# Allegro board Single PMT Data AcquisitionV_3P3.brd (continued)
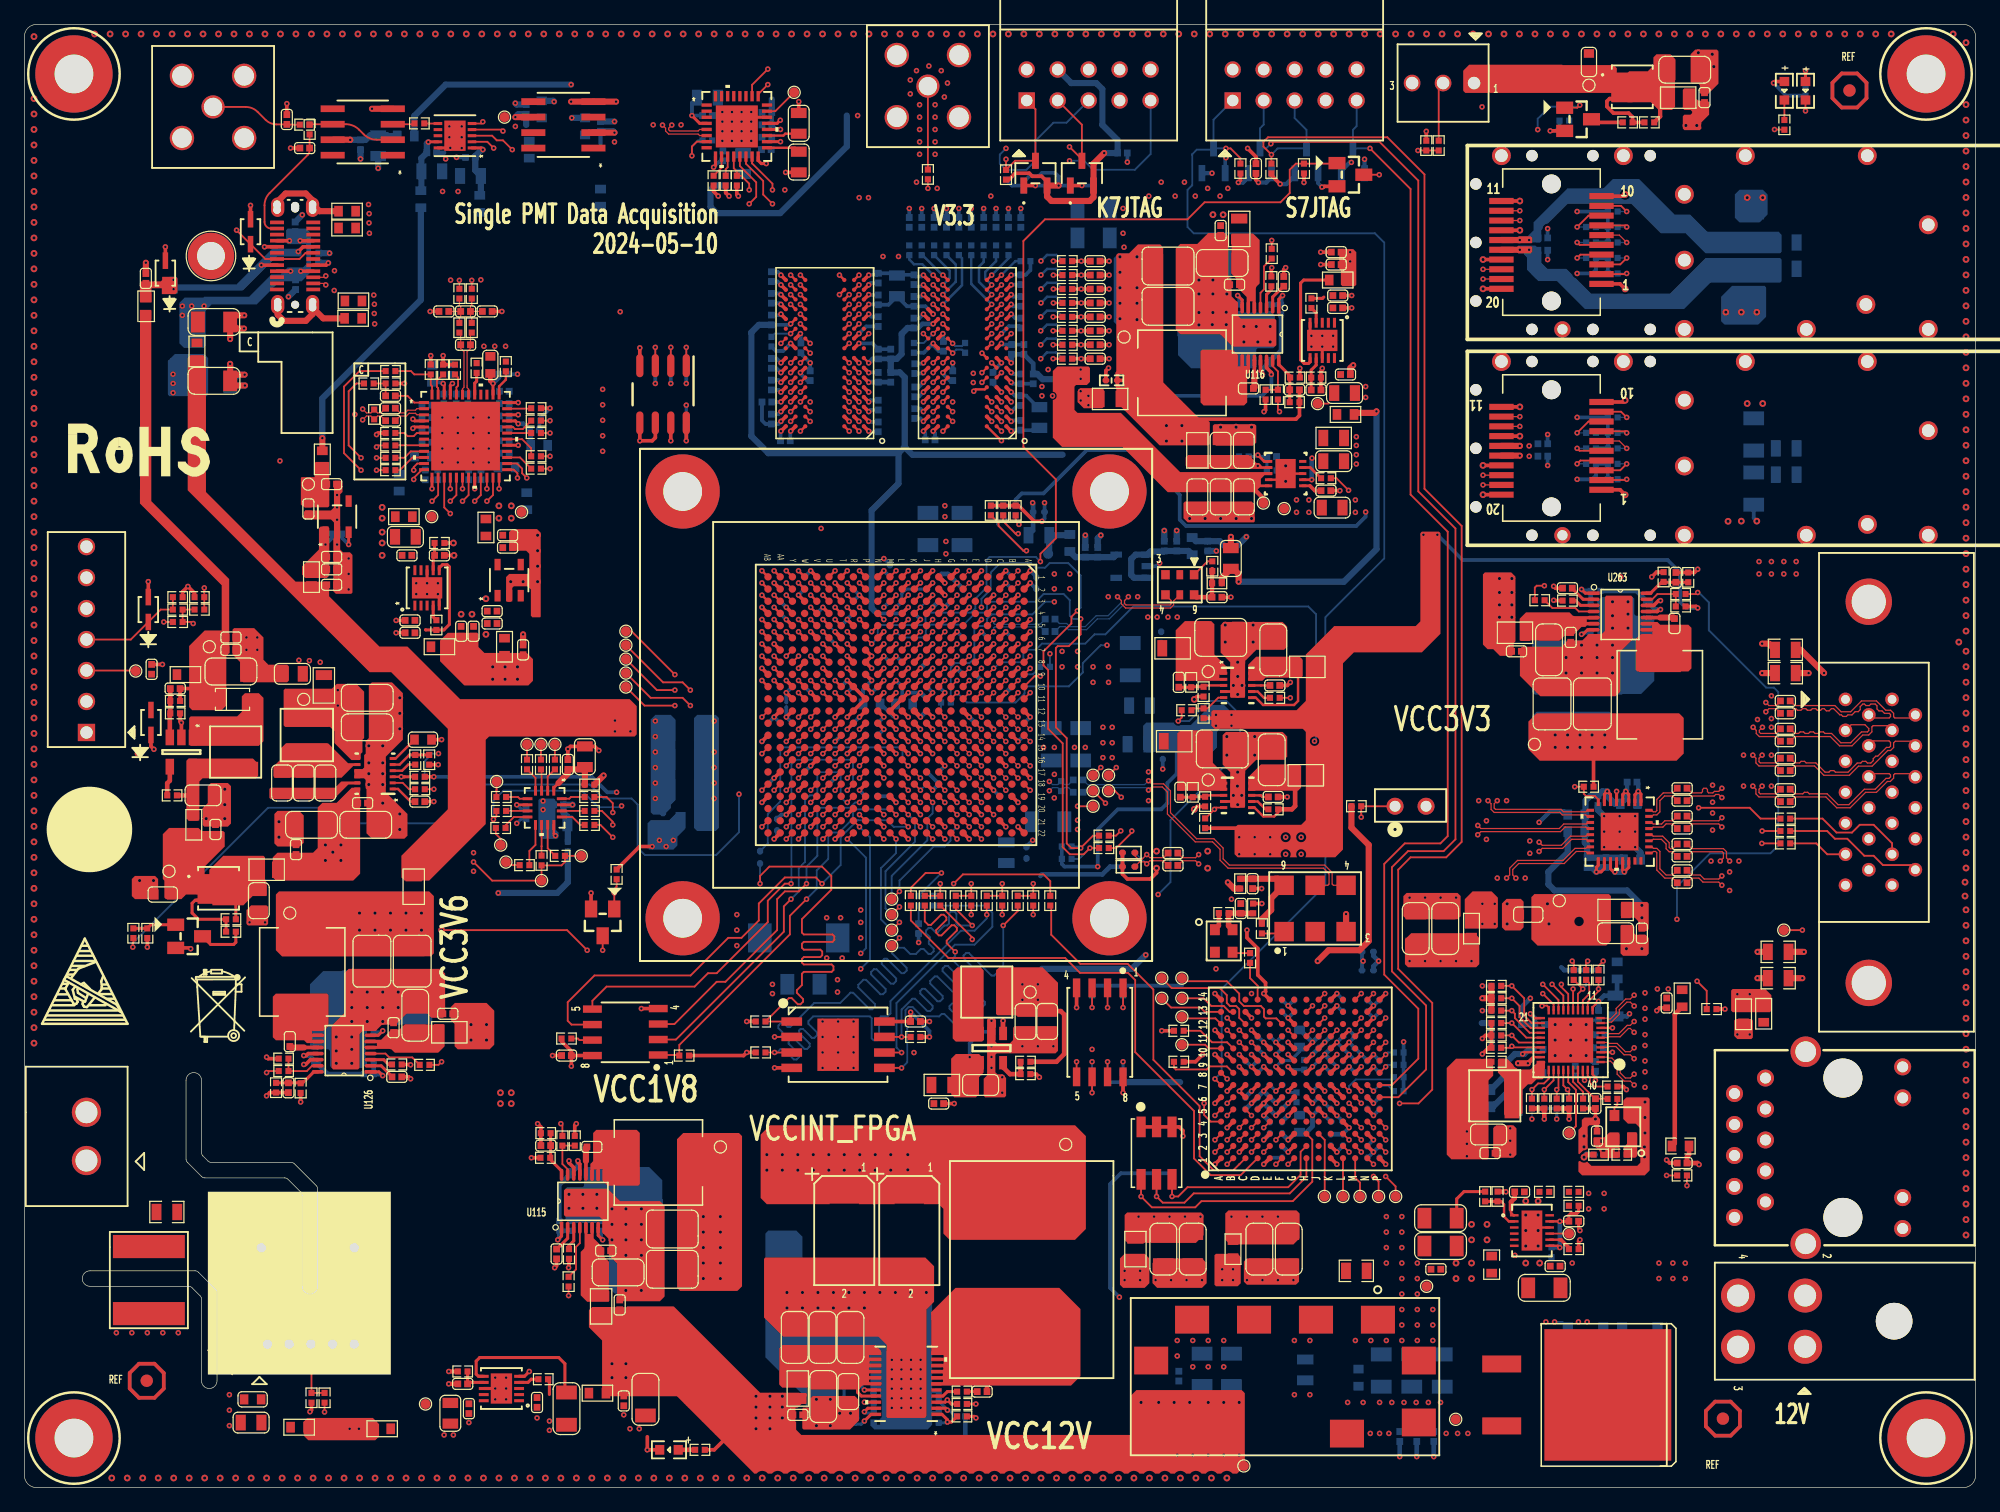
[diagram p0: board, top side]
## Footprints (pads in the part's own frame, mm; a bottom-side part is the same pattern mirrored in y, then rotated) (continued)
XFL4020-472ME
  rect 0.98x3.4 smd: 1(-1.185,0) 2(1.185,0)

## Nets
GND: C13.2(CAP1) C14.2(CAP1) C15.2(CAP1) C22.2(CAP1) C23.2(CAP1) C97.2(CAP1) C114.2(CAP1) C115.2(CAP1) C123.2(CAP1) C143.2(CAP1) C144.2(CAP1) C146.2(CAP1) C153.2(CAP1) C155.2(CAP1) C161.2(CAP1) C162.2(CAP1) C165.2(CAP1) C166.2(CAP1) C217.2(CAP1) C224.2(CAP1) C250.2(CAP1) C271.2(CAP1) C340.2(CAP1) C341.2(CAP1) C342.2(CAP1) C343.2(CAP1) C344.2(CAP1) C400.2(CAP1) C401.2(CAP1) C403.2(CAP1) C407.2(CAP1) C408.2(CAP1) C409.2(CAP1) C410.2(CAP1) C414.2(CAP1) C415.2(CAP1) C417.2(CAP1) C418.2(CAP1) C419.2(CAP1) C420.2(CAP1) C425.2(CAP1) C426.2(CAP1) C427.2(CAP1) C430.2(CAP1) C431.2(CAP1) C434.2(CAP1) C437.2(CAP1) C438.2(CAP1) C440.2(CAP1) C441.2(CAP1) C462.2(CAP1) C463.2(CAP1) C491.2(CAP1) C492.2(CAP1) C493.2(CAP1) C494.2(CAP1) C495.2(CAP1) C505.2(CAP1) C506.2(CAP1) C507.2(CAP1) C508.2(CAP1) C510.2(CAP1) C511.2(CAP1) C514.2(CAP1) C515.2(CAP1) C516.2(CAP1) C520.2(CAP1) C521.2(CAP1) C522.2(CAP1) C523.2(CAP1) C524.2(CAP1) C525.2(CAP1) C526.2(CAP1) C527.2(CAP1) C528.2(CAP1) C529.2(CAP1) C530.2(CAP1) C531.2(CAP1) C532.2(CAP1) C533.2(CAP1) C534.2(CAP1) C535.2(CAP1) C536.2(CAP1) C538.2(CAP1) C539.2(CAP1) C540.2(CAP1) C541.2(CAP1) C542.2(CAP1) C543.2(CAP1) C545.2(CAP1) C546.2(CAP1) C547.2(CAP1) C548.2(CAP1) C549.2(CAP1) C550.2(CAP1) C551.2(CAP1) C552.2(CAP1) C553.2(CAP1) C554.2(CAP1) C555.2(CAP1) C556.2(CAP1) C557.2(CAP1) C558.2(CAP1) C559.2(CAP1) C560.2(CAP1) C561.2(CAP1) C562.2(CAP1) C563.2(CAP1) C564.2(CAP1) C565.2(CAP1) C566.2(CAP1) C567.2(CAP1) C568.2(CAP1) C569.2(CAP1) C570.2(CAP1) C571.2(CAP1) C572.2(CAP1) C573.2(CAP1) C640.2(CAP1) C641.2(CAP1) C642.2(CAP1) C751.2(CAP1) C752.2(CAP1) C753.2(CAP1) C754.2(CAP1) C755.2(CAP1) C756.2(CAP1) C757.2(CAP1) C758.2(CAP1) C759.2(CAP1) C760.2(CAP1) C761.2(CAP1) C762.2(CAP1) C763.2(CAP1) C764.2(CAP1) C765.2(CAP1) C766.2(CAP1) C767.2(CAP1) C768.2(CAP1) C769.2(CAP1) C770.2(CAP1) C771.2(CAP1) C772.2(CAP1) C773.2(CAP1) C774.2(CAP1) C775.2(CAP1) C776.2(CAP1) C777.2(CAP1) C778.2(CAP1) C779.2(CAP1) C780.2(CAP1) C781.2(CAP1) C782.2(CAP1) C783.2(CAP1) C784.2(CAP1) C785.2(CAP1) C786.2(CAP1) C787.2(CAP1) C788.2(CAP1) C789.2(CAP1) C790.2(CAP1) C791.2(CAP1) C792.2(CAP1) C793.2(CAP1) C794.2(CAP1) C795.2(CAP1) C796.2(CAP1) C797.2(CAP1) C798.2(CAP1) C799.2(CAP1) C800.2(CAP1) C838.1(CAP2) C839.2(CAP1) C841.2(CAP1) C842.2(CAP1) C846.2(CAP1) C847.2(CAP1) C849.2(CAP1) C850.2(CAP1) C851.2(CAP1) C852.2(CAP1) C853.2(CAP1) C854.2(CAP1) C855.2(CAP1) C859.2(CAP1) C864.2(CAP1) C865.2(CAP1) C866.2(CAP1) C868.1(CAP2) C881.2(CAP1) C882.2(CAP1) C883.2(CAP1) C884.2(CAP1) C885.2(CAP1) C905.2(CAP1) C906.1(CAP2) C907.1(CAP2) C908.2(CAP1) C912.1(CAP2) C913.1(CAP2) C914.1(CAP2) C915.1(CAP2) C916.1(CAP2) C917.1(CAP2) C918.1(CAP2) C919.1(CAP2) C920.1(CAP2) C921.1(CAP2) C922.1(CAP2) C923.1(CAP2) C924.1(CAP2) C925.1(CAP2) C926.1(CAP2) C927.1(CAP2) C928.1(CAP2) C929.1(CAP2) C930.1(CAP2) C943.2(CAP1) C944.2(CAP1) C1135.1(CAP2) C1137.2(CAP1) C1138.2(CAP1) C1153.2(CAP1) C1154.2(CAP1) C1155.2(CAP1) C1156.2(CAP1) C1157.2(CAP1) C1158.2(CAP1) C1172.2(CAP1) C1173.2(CAP1) C1174.2(CAP1) C1175.2(CAP1) C1176.2(CAP1) C1177.1(CAP2) C1178.2(CAP1) C1181.2(CAP1) C1182.1(CAP2) C1183.1(CAP2) C1184.2(CAP1) C1185.2(CAP1) C1186.2(CAP1) C1187.1(CAP2) C1188.1(CAP2) C1189.2(CAP1) C1190.2(CAP1) C1193.2(CAP1) C1194.2(CAP1) C1195.2(CAP1) C1196.2(CAP1) C1197.2(CAP1) C1198.2(CAP1) C1199.2(CAP1) C1200.2(CAP1) C1201.2(CAP1) C1202.2(CAP1) C1203.2(CAP1) C1204.1(CAP2) C1205.2(CAP1) C1208.1(CAP2) C1209.1(CAP2) C1215.2(CAP1) C1230.2(CAP1) C1231.1(CAP2) C1232.2(CAP1) C1233.2(CAP1) C1256.1(CAP2) C1257.2(CAP1) C1258.2(CAP1) C1259.2(CAP1) C1264.2(CAP1) C1265.1(CAP2) C1266.2(CAP1) C1267.2(CAP1) C1268.2(CAP1) C1269.2(CAP1) C1270.2(CAP1) C1271.2(CAP1) C1272.2(CAP1) C1273.1(CAP2) C1274.2(CAP1) C1277.1(CAP2) C1278.1(CAP2) C1279.2(CAP1) C1280.2(CAP1) C1281.2(CAP1) C1282.1(CAP2) C1296.2(CAP1) C1298.1(CAP2) C1299.1(CAP2) C1300.2(CAP1) C1301.1(CAP2) C1302.2(CAP1) C1303.1(CAP2) C1304.2(CAP1) C1324.2(CAP1) C1326.1(CAP2) C1327.1(CAP2) C1328.2(CAP1) C1329.1(CAP2) C1337.1(CAP2) C1338.1(CAP2) C1339.2(CAP1) C1340.2(CAP1) C1341.2(CAP1) C1347.2(CAP1) C1348.1(CAP2) C1349.2(CAP1) C2084.2(CAP1) C2085.2(CAP1) C2086.1(CAP2) C2087.2(CAP1) C2088.1(CAP2) C2092.2(CAP1) C2093.2(CAP1) C2094.2(CAP1) C2106.2(CAP1) C2256.2(CAP1) C2380.2(CAP1) C2381.1(CAP2) C2382.2(CAP1) C2383.1(CAP2) C2385.1(CAP2) C2412.1(CAP2) C2413.2(CAP1) C2414.2(CAP1) C2415.1(CAP2) C2416.2(CAP1) C2417.2(CAP1) C2418.1(CAP2) C2422.2(CAP1) C2423.1(CAP2) C2424.1(CAP2) C2425.1(CAP2) C2428.1(CAP2) C2429.1(CAP2) C2430.1(CAP2) C2433.1(CAP2) C2434.2(CAP1) C2435.2(CAP1) C2438.2(CAP1) C2439.2(CAP1) C2440.2(CAP1) C2441.2(CAP1) C2442.2(CAP1) C2443.2(CAP1) C2446.2(CAP1) C2447.2(CAP1) C2448.2(CAP1) C2449.2(CAP1) C2450.1(CAP2) C2467.2(CAP1) C2468.2(CAP1) C2469.1(CAP2) C2470.1(CAP2) C2471.2(CAP1) C2472.1(CAP2) C2473.1(CAP2) C2474.1(CAP2) C2475.2(CAP1) C2476.1(CAP2) C2477.2(CAP1) C2478.1(CAP2) C2479.2(CAP1) C2480.1(CAP2) C2481.1(CAP2) C2482.2(CAP1) C2483.2(CAP1) C2484.2(CAP1) C2485.1(CAP2) C2486.2(CAP1) C2487.1(CAP2) C2488.2(CAP1) C2489.1(CAP2) C2490.2(CAP1) C2491.2(CAP1) C2492.2(CAP1) C2493.2(CAP1) C2494.2(CAP1) C2495.2(CAP1) C2499.1(CAP2) C2500.1(CAP2) C2501.1(CAP2) C2960.1(CAP2) C2961.1(CAP2) C2962.2(CAP1) C2963.2(CAP1) C2964.2(CAP1) C2965.1(CAP2) C2966.1(CAP2) C2967.1(CAP2) CC1.2 CC7.2 CC8.2 CR1.2 CR2.1 CR3.1 CR4.2 D2.1 D3.1 D4.1 D5.1 D6.1 D7.1 D8.1 D9.1 DS24.2 J1.2 J1.10 J6.12 J6.13 J31.2(GND1) J31.3(GND2) J31.4(GND3) J31.5(GND4) J56.2 J56.10 J60.2(GND1) J60.5(GND2) J61.3(P3) J71.2(GND1) J71.3(GND2) J71.4(GND3) J71.5(GND4) J77.2 J78.1 J78.2 J78.3 L3.1 L41.1 L42.1 L242.1 L293.1 L294.1 L295.1 L296.1 P3.1(VEET_1) P3.10(VEER_1) P3.11(VEER_2) P3.14(VEER_3) P3.17(VEET_2) P3.20(VEET_3) P3.21(GND1) P3.22(GND2) P3.23(GND3) P3.24(GND4) P3.25(GND5) P3.26(GND6) P3.27(GND7) P3.28(GND8) P3.29(GND9) P3.30(GND10) P3.31(GND11) P3.32(GND12) P4.1(VEET_1) P4.10(VEER_1) P4.11(VEER_2) P4.14(VEER_3) P4.17(VEET_2) P4.20(VEET_3) P4.21(GND1) P4.22(GND2) P4.23(GND3) P4.24(GND4) P4.25(GND5) P4.26(GND6) P4.27(GND7) P4.28(GND8) P4.29(GND9) P4.30(GND10) P4.31(GND11) P4.32(GND12) Q10.2(SOURCE) Q15.2(SOURCE) Q21.2(SOURCE) Q23.2(SOURCE) R8.2 R41.2 R219.2 R276.2 R337.1 R338.1 R339.1 R458.2 R490.2 R657.2 R665.2 R666.2 R844.1 R845.2 R856.2 R868.2 R869.2 R870.2 R871.2 R872.2 R873.2 R874.2 R875.2 R967.1 R968.1 R971.2 R974.2 R975.2 R976.1 R980.1 R981.2 R1042.1 R1043.1 R1044.1 R1046.1 R1048.2 R1064.1 R1065.2 R1066.1 R1068.2 R1069.1 R1070.1 R1073.2 R1080.1 R1083.2 R1084.1 R1086.2 R1089.2 R1091.2 R1114.2 R1130.2 R1143.1 R1144.2 R1145.1 R1147.2 R1196.2 R1883.2 R1919.1 R2036.2 R2039.2 R2084.2 R2085.2 R2086.2 R2087.2 R2099.2 R2105.2 R2106.2 R2107.2 R2136.2 R2137.2 R2139.2 R2141.2 R2143.2 R2159.2 R2160.2 R2170.2 U1.A1(GND#A1) U1.A5(GND#A5) U1.A7(GND#A7) U1.A12(GND#A12) U1.A22(GND#A22) U1.AA2(GND#AA2) U1.AA12(GND#AA12) U1.AA22(GND#AA22) U1.AB9(GND#AB9) U1.AB19(GND#AB19) U1.B3(GND#B3) U1.B4(GND#B4) U1.B7(GND#B7) U1.B9(GND#B9) U1.B19(GND#B19) U1.C1(GND#C1) U1.C5(GND#C5) U1.C7(GND#C7) U1.C16(GND#C16) U1.D3(GND#D3) U1.D4(GND#D4) U1.D7(GND#D7) U1.D13(GND#D13) U1.E1(GND#E1) U1.E5(GND#E5) U1.E7(GND#E7) U1.E10(GND#E10) U1.E20(GND#E20) U1.F3(GND#F3) U1.F4(GND#F4) U1.F7(GND#F7) U1.F17(GND#F17) U1.G1(GND#G1) U1.G5(GND#G5) U1.G14(GND#G14) U1.H3(GND#H3) U1.H4(GND#H4) U1.H5(GND#H5) U1.H11(GND#H11) U1.H21(GND#H21) U1.J1(GND#J1) U1.J2(GND#J2) U1.J3(GND#J3) U1.J8(GND#J8) U1.J10(GND#J10) U1.J12(GND#J12) U1.J14(GND#J14) U1.J18(GND#J18) U1.K5(GND#K5) U1.K9(GND#K9) U1.K13(GND#K13) U1.K15(GND#K15) U1.L2(GND#L2) U1.L8(GND#L8) U1.L10(GND#L10) U1.L12(VP_0) U1.L14(GND#L14) U1.L22(GND#L22) U1.M7(CFGBVS_0) U1.M9(GND#M9) U1.M11(VN_0) U1.M13(GND#M13) U1.M15(GND#M15) U1.M19(GND#M19) U1.N6(GND#N6) U1.N8(GND#N8) U1.N10(GND#N10) U1.N11(DXN_0) U1.N12(DXP_0) U1.N14(GND#N14) U1.N16(GND#N16) U1.P3(GND#P3) U1.P9(GND#P9) U1.P11(GND#P11) U1.P13(GND#P13) U1.P15(GND#P15) U1.R8(GND#R8) U1.R10(GND#R10) U1.R12(GND#R12) U1.R14(GND#R14) U1.R20(GND#R20) U1.T7(GND#T7) U1.T17(GND#T17) U1.U4(GND#U4) U1.U14(GND#U14) U1.V1(GND#V1) U1.V11(GND#V11) U1.V21(GND#V21) U1.W8(GND#W8) U1.W18(GND#W18) U1.Y5(GND#Y5) U1.Y15(GND#Y15) U7.4(GND) U7.9(EP) U23.4(PGND) U23.8(GND) U23.11(PWRPAD) U75.A9(VSS#A9) U75.B1(VSSQ#B1) U75.B3(VSS#B3) U75.B9(VSSQ#B9) U75.D1(VSSQ#D1) U75.D8(VSSQ#D8) U75.E1(VSS#E1) U75.E2(VSSQ#E2) U75.E8(VSSQ#E8) U75.F9(VSSQ#F9) U75.G1(VSSQ#G1) U75.G8(VSS#G8) U75.G9(VSSQ#G9) U75.J2(VSS#J2) U75.J8(VSS#J8) U75.M1(VSS#M1) U75.M9(VSS#M9) U75.P1(VSS#P1) U75.P9(VSS#P9) U75.T1(VSS#T1) U75.T9(VSS#T9) U76.A9(VSS#A9) U76.B1(VSSQ#B1) U76.B3(VSS#B3) U76.B9(VSSQ#B9) U76.D1(VSSQ#D1) U76.D8(VSSQ#D8) U76.E1(VSS#E1) U76.E2(VSSQ#E2) U76.E8(VSSQ#E8) U76.F9(VSSQ#F9) U76.G1(VSSQ#G1) U76.G8(VSS#G8) U76.G9(VSSQ#G9) U76.J2(VSS#J2) U76.J8(VSS#J8) U76.M1(VSS#M1) U76.M9(VSS#M9) U76.P1(VSS#P1) U76.P9(VSS#P9) U76.T1(VSS#T1) U76.T9(VSS#T9) U79.4(GND) U79.5(A2) U79.6(A1) U79.7(A0) U88.A1(GND#A1) U88.A6(GND#A6) U88.A9(GND#A9) U88.A11(GND#A11) U88.A14(GND#A14) U88.B4(GND#B4) U88.B7(GND#B7) U88.B9(GND#B9) U88.C2(GND#C2) U88.C6(GND#C6) U88.C7(GND#C7) U88.C8(GND#C8) U88.C9(GND#C9) U88.C13(GND#C13) U88.D5(GND#D5) U88.D7(GND#D7) U88.D9(GND#D9) U88.D11(GND#D11) U88.E1(GND#E1) U88.E3(GND#E3) U88.E6(GND#E6) U88.E8(GND#E8) U88.E10(GND#E10) U88.E14(GND#E14) U88.F5(GND#F5) U88.F9(GND#F9) U88.G3(GND#G3) U88.G6(GND#G6) U88.G10(GND#G10) U88.G12(GND#G12) U88.H5(GND#H5) U88.H9(GND#H9) U88.J6(GND#J6) U88.J7(DXN_0) U88.J8(DXP_0) U88.J10(GND#J10) U88.K1(GND#K1) U88.K5(GND#K5) U88.K7(GND#K7) U88.K9(GND#K9) U88.K14(GND#K14) U88.L4(GND#L4) U88.L6(GND#L6) U88.L8(GND#L8) U88.L10(GND#L10) U88.L11(GND#L11) U88.M8(M1_0) U88.M9(M2_0) U88.N3(GND#N3) U88.N5(GND#N5) U88.N9(GND#N9) U88.N12(GND#N12) U88.P1(GND#P1) U88.P14(GND#P14) U89.4(GND) U90.2(GND) U93.41(THERM_PAD) U94.2(GND) U95.2(VCONT_GND) U95.5(GND2) U95.6(HV_GND) U98.12(GND) U102.49(EP) U103.3(GND) U111.4(QPI-1) U111.5(QPI-2) U113.23(EPAD) U115.8(PGND2) U115.17(GND) U116.8(PGND2) U116.17(GND) U118.4(GND) U118.11(PAD) U119.4(GND) U119.11(PAD) U124.2(GND) U126.8(PGND2) U126.17(GND) U127.5(ILIM) U127.8(GND) U127.11(GND_2) U129.5(ILIM) U129.8(GND) U129.11(GND_2) U130.2(GND) U132.2(GND) U133.5(ILIM) U133.8(GND) U133.11(GND_2) U236.9(GND) U236.10(GND_1) U236.13(PAD) U261.2(GND) U263.8(PGND2) U263.17(GND) U264.4(GND) U267.22(GND1) U267.33(GND) U268.10(GND) U268.11(EXPOSED) U269.4(V-) U270.3(GND) U271.1(GND) U271.2(GND_2) U271.5(GND_3) U271.17(GND_4) U271.18(GND_5) U271.33(GND_6) U272.2(GND) U273.4(GND)
GND_EARTH: MH1.1 R2123.1
GND_FPGA_LAN: J6.17(SHELL_GND#17) J6.18(SHELL_GND#18) L42.2
VCC1V5: C1186.1(CAP2) C1192.2(CAP1) C1193.1(CAP2) C1194.1(CAP2) C1195.1(CAP2) C1196.1(CAP2) L92.2 L94.2 L95.1 R1072.2 TP44.1 U116.14(BIAS)
VCC1V5_FPGA: C161.1(CAP2) C162.1(CAP2) C187.1(CAP2) C250.1(CAP2) C508.1(CAP2) C510.1(CAP2) C511.1(CAP2) C514.1(CAP2) C515.1(CAP2) C516.1(CAP2) C528.1(CAP2) C529.1(CAP2) C530.1(CAP2) C531.1(CAP2) C532.1(CAP2) C533.1(CAP2) C534.1(CAP2) C535.1(CAP2) C536.1(CAP2) C538.1(CAP2) C539.1(CAP2) C540.1(CAP2) C541.1(CAP2) C542.1(CAP2) C543.1(CAP2) C544.1(CAP2) C556.1(CAP2) C557.1(CAP2) C558.1(CAP2) C559.1(CAP2) C560.1(CAP2) C561.1(CAP2) C562.1(CAP2) C564.1(CAP2) C565.1(CAP2) C566.1(CAP2) C567.1(CAP2) C568.1(CAP2) C569.1(CAP2) C570.1(CAP2) C571.1(CAP2) C572.1(CAP2) L92.1 R2140.1 R2142.1 U1.AA7(VCCO_33#AA7) U1.AB4(VCCO_34#AB4) U1.M4(VCCO_34#M4) U1.N1(VCCO_34#N1) U1.R5(VCCO_34#R5) U1.T2(VCCO_34#T2) U1.T12(VCCO_33#T12) U1.U9(VCCO_33#U9) U1.V6(VCCO_33#V6) U1.W3(VCCO_34#W3) U1.W13(VCCO_33#W13) U1.Y10(VCCO_33#Y10) U75.A1(VDDQ#A1) U75.A8(VDDQ#A8) U75.B2(VDD#B2) U75.C1(VDDQ#C1) U75.C9(VDDQ#C9) U75.D2(VDDQ#D2) U75.D9(VDD#D9) U75.E9(VDDQ#E9) U75.F1(VDDQ#F1) U75.G7(VDD#G7) U75.H2(VDDQ#H2) U75.H9(VDDQ#H9) U75.K2(VDD#K2) U75.K8(VDD#K8) U75.N1(VDD#N1) U75.N9(VDD#N9) U75.R1(VDD#R1) U75.R9(VDD#R9) U76.A1(VDDQ#A1) U76.A8(VDDQ#A8) U76.B2(VDD#B2) U76.C1(VDDQ#C1) U76.C9(VDDQ#C9) U76.D2(VDDQ#D2) U76.D9(VDD#D9) U76.E9(VDDQ#E9) U76.F1(VDDQ#F1) U76.G7(VDD#G7) U76.H2(VDDQ#H2) U76.H9(VDDQ#H9) U76.K2(VDD#K2) U76.K8(VDD#K8) U76.N1(VDD#N1) U76.N9(VDD#N9) U76.R1(VDD#R1) U76.R9(VDD#R9)
VCC1V5_PG: R1075.1 R1077.1 R1140.1 R1884.1
VCC1V8: C505.1(CAP2) C641.1(CAP2) C642.1(CAP2) C1172.1(CAP2) C1173.1(CAP2) C1174.1(CAP2) C1180.2(CAP1) C1181.1(CAP2) C1184.1(CAP2) C1185.1(CAP2) C2494.1(CAP2) D2.2 D3.2 D4.2 D5.2 J1.4 L34.2 L35.2 L86.2 L91.1 L99.1 L101.1 R4.1 R42.1 R220.1 R340.2 R341.2 R342.2 R395.1 R455.1 R456.1 R496.1 R497.1 R498.1 R499.1 R500.1 R501.1 R1057.2 R1058.1 R1074.1 R1076.1 R1100.1 R1112.1 R1139.1 R1885.1 R2152.1 R2153.1 R2154.1 R2155.1 R2156.1 TP43.1 U7.8(VCC) U79.8(VS) U115.14(BIAS) U273.8(VCC)
VCC1V8_A: L50.1 L284.2
VCC1V8_D: L51.1 L52.1 L285.2 TP65.1
VCC1V8_FPGA: C143.1(CAP2) C400.1(CAP2) C401.1(CAP2) C403.1(CAP2) C407.1(CAP2) C408.1(CAP2) C409.1(CAP2) C410.1(CAP2) C2495.1(CAP2) L91.2 U1.AA17(VCCO_13#AA17) U1.AB14(VCCO_13#AB14) U1.F22(VCCO_14#F22) U1.G19(VCCO_14#G19) U1.J7(VCCO_0#J7) U1.K20(VCCO_14#K20) U1.L17(VCCO_14#L17) U1.N7(VCCO_0#N7) U1.N21(VCCO_14#N21) U1.P18(VCCO_14#P18) U1.T22(VCCO_13#T22) U1.U19(VCCO_13#U19) U1.V16(VCCO_13#V16) U1.Y20(VCCO_13#Y20)
VCC1V8_PG: R1060.1 R1067.1
VCC1V8_S_FPGA: C770.1(CAP2) C771.1(CAP2) C772.1(CAP2) C773.1(CAP2) C774.1(CAP2) C775.1(CAP2) C776.1(CAP2) C791.1(CAP2) C792.1(CAP2) C793.1(CAP2) C794.1(CAP2) C795.1(CAP2) C796.1(CAP2) C797.1(CAP2) L35.1 L40.2 R788.2 U88.F10(VCCAUX#F10) U88.G2(VCCO_34#G2) U88.H10(VCCAUX#H10) U88.K2(VCCO_34#K2) U88.K10(VCCAUX#K10) U88.L9(VCCAUX#L9) U88.N2(VCCO_34#N2)
VCC2V5: C1258.1(CAP2) C1259.1(CAP2) C2413.1(CAP2) L112.2 L265.1 R1129.1 R2120.1 R2157.1 R2158.1 TP58.1
VCC2V5_FPGA: C414.1(CAP2) C415.1(CAP2) C417.1(CAP2) C434.1(CAP2) L265.2 U1.A17(VCCO_15#A17) U1.B14(VCCO_15#B14) U1.C21(VCCO_15#C21) U1.D18(VCCO_15#D18) U1.E15(VCCO_15#E15) U1.H16(VCCO_15#H16)
VCC2V5_OFFSET: L269.2 L281.1
VCC3V3: C798.1(CAP2) C799.1(CAP2) C1198.1(CAP2) C1199.1(CAP2) C1200.1(CAP2) C1201.1(CAP2) C1207.2(CAP1) C1256.2(CAP1) C1265.2(CAP1) C1298.2(CAP1) C1299.2(CAP1) C2256.1(CAP2) C2475.1(CAP2) C2485.2(CAP1) D6.2 D7.2 D8.2 D9.2 DS10.1 J56.4 L6.1 L7.1 L43.2 L48.1 L55.2 L96.2 L97.2 L111.1 L115.1 L125.1 L126.1 L233.2 L283.1 L288.1 L290.1 L291.1 R11.1 R12.1 R13.1 R14.1 R87.1 R391.1 R392.1 R516.1 R517.1 R658.1 R659.1 R660.1 R667.1 R668.1 R784.1 R785.1 R786.2 R787.1 R1085.2 R1928.1 R2135.1 R2144.1 R2145.1 R2146.1 R2147.1 R2148.1 R2149.1 R2150.1 R2151.1 TP45.1 U88.M7(M0_0) U89.8(VCC) U263.14(BIAS)
VCC3V3_A: L130.2 L280.1
VCC3V3_C: C2422.1(CAP2) C2423.2(CAP1) C2424.2(CAP1) C2425.2(CAP1) C2484.1(CAP2) L54.2 L132.2 L278.1 L282.2 R2104.1 U267.4(VCC_OUT) U267.20(VCC_IN)
VCC3V3_FPGA: C437.1(CAP2) C438.1(CAP2) C440.1(CAP2) C441.1(CAP2) L233.1 U1.C11(VCCO_16#C11) U1.D8(VCCO_16#D8) U1.F12(VCCO_16#F12) U1.G9(VCCO_16#G9)
VCC3V3_PG: R1078.1 U1.P16(IO_L23P_T3_A03_D19_14)
VCC3V3_S_FPGA: C777.1(CAP2) C778.1(CAP2) C779.1(CAP2) C780.1(CAP2) C781.1(CAP2) C782.1(CAP2) C783.1(CAP2) C784.1(CAP2) C785.1(CAP2) C786.1(CAP2) C787.1(CAP2) C788.1(CAP2) C789.1(CAP2) C790.1(CAP2) L43.1 U88.G13(VCCO_14#G13) U88.K13(VCCO_14#K13) U88.N6(VCCO_0#N6) U88.N8(VCCO_0#N8) U88.N13(VCCO_14#N13)
VCC3V3_SFPGA_ETH: C866.1(CAP2) C1264.1(CAP2) C1266.1(CAP2) L44.1 L45.2 L115.2 L243.1 L244.1 L245.1 R849.1 R850.1 R851.1 R857.1 R860.1 R861.1 R862.1 R863.1 R864.1 R865.1 R866.1 R867.1 TP60.1
VCC3V3_SFPGA_ETH_TCT: L44.2 R833.2
VCC3V6: C1277.2(CAP1) C1279.1(CAP2) C1326.2(CAP1) C2963.1(CAP2) L118.2 L122.1 L129.1 L268.1 L292.2
VCC3V6_PG: R1141.1 U1.R21(IO_L24P_T3_A01_D17_14)
VCC5V: L47.1 L266.1 L279.2 L286.2
VCC12V: C1135.2(CAP1) C1137.1(CAP2) C1138.1(CAP2) C1182.2(CAP1) C1183.2(CAP1) C1187.2(CAP1) C1209.2(CAP1) C1278.2(CAP1) C1338.2(CAP1) C1348.2(CAP1) C2084.1(CAP2) C2085.1(CAP2) C2086.2(CAP1) C2433.2(CAP1) C2479.1(CAP2) C2964.1(CAP2) L89.1 L90.1 L93.1 L98.1 L117.1 L131.1 L134.1 L273.1 L297.2 R1045.1 R2050.1 TP39.1 U111.6(QPI+1) U111.7(QPI+2) U236.12(VIN)
VCC12V_BST: C2381.2(CAP1) C2435.1(CAP2) L237.1 Q22.1(D1) Q22.2(D2) Q22.3(D3) TP140.1
VCC12V_FAN: C1347.1(CAP2) J61.1(P1) Q20.1(D1) Q20.2(D2) Q20.3(D3) TP69.1
VCC12V_FAN_EN: R1197.2 U1.H8(IO_L16N_T2_16)
VCC12V_IN: C1134.1(CAP2) C1136.2(CAP1) C1139.1(CAP2) C1140.1(CAP2) C1142.1(CAP2) C1144.1(CAP2) C1145.2(CAP1) C1149.1(CAP2) C1150.1(CAP2) C1152.2(CAP1) Q1.S R1033.1 R1040.1 TP37.1 U111.8(BUS+1) U111.9(BUS+2) U112.3(OUT)
VCC12V_IN_CON: C1147.1(CAP2) C1148.2(CAP1) J18.1(POWER#1) J18.3(POWER#3) R1034.1 R1037.1 R1038.1 U112.6(VCC)
VCC15V: C2382.1(CAP2) C2383.2(CAP1) C2384.2(CAP1) C2385.2(CAP1) D1.2 L261.2 L298.1 R2038.2 TP88.1
VCC15V_OUT: C2412.2(CAP1) CR2.2 J2.A5(CC1) J2.B5(CC2) L261.1
VCC15V_RSV: C2966.2(CAP1) CR3.2 J60.1(+15V) L298.2
VCC-3V_A: C2106.1(CAP2) C2967.2(CAP1) J2.A8(SBU1) J2.B8(SBU2) L263.2
VCC-3V_A_PG: R1886.1 U1.R22(IO_L24N_T3_A00_D16_14)
VCCAUX: C123.1(CAP2) C418.1(CAP2) C419.1(CAP2) C420.1(CAP2) C425.1(CAP2) L5.2 L34.1 U1.K10(VCCAUX#K10) U1.M10(VCCAUX#M10) U1.P7(VCCBATT_0) U1.P8(VCCAUX#P8) U1.P10(VCCAUX#P10) U1.P12(VCCAUX#P12) U1.R9(VCCAUX#R9) U1.R11(VCCAUX#R11)
VCCINT_FPGA: C153.1(CAP2) C155.1(CAP2) C165.1(CAP2) C166.1(CAP2) C493.1(CAP2) C494.1(CAP2) C495.1(CAP2) CC1.1 CC7.1 CC8.1 L36.2 L85.1 R1047.2 TP41.1 U1.J9(VCCINT#J9) U1.J11(VCCINT#J11) U1.J13(VCCINT#J13) U1.J15(VCCINT#J15) U1.K8(VCCINT#K8) U1.K14(VCCINT#K14) U1.L9(VCCINT#L9) U1.L13(VCCBRAM#L13) U1.L15(VCCINT#L15) U1.M8(VCCINT#M8) U1.M14(VCCINT#M14) U1.N9(VCCINT#N9) U1.N13(VCCBRAM#N13) U1.N15(VCCINT#N15) U1.P14(VCCINT#P14) U1.R13(VCCBRAM#R13) U1.R15(VCCINT#R15)
VCCINT_FPGA_PG: R1041.2 R1059.1 U113.3(PGOOD)
VCCINT_S_FPGA: C751.1(CAP2) C752.1(CAP2) C753.1(CAP2) C754.1(CAP2) C755.1(CAP2) C756.1(CAP2) C757.1(CAP2) C758.1(CAP2) C759.1(CAP2) C760.1(CAP2) C761.1(CAP2) C762.1(CAP2) C763.1(CAP2) C764.1(CAP2) C765.1(CAP2) C766.1(CAP2) C767.1(CAP2) C768.1(CAP2) C769.1(CAP2) L36.1 U88.D6(VCCINT#D6) U88.D8(VCCINT#D8) U88.E5(VCCBRAM#E5) U88.E7(VCCINT#E7) U88.E9(VCCINT#E9) U88.F6(VCCINT#F6) U88.G5(VCCBRAM#G5) U88.G9(VCCINT#G9) U88.H6(VCCINT#H6) U88.J5(VCCBRAM#J5) U88.J9(VCCINT#J9) U88.K6(VCCINT#K6) U88.K8(VCCINT#K8)
AD5592_1_SPI_CLK: R944.2 U1.D10(IO_L7P_T1_16)
AD5592_1_SPI_CS_B: R943.2 U1.F9(IO_L15P_T2_DQS_16)
AD5592_1_SPI_MISO: R946.2 U1.G10(IO_L13N_T2_MRCC_16)
AD5592_1_SPI_MOSI: R945.2 U1.F11(IO_L11P_T1_SRCC_16)
AD9265_CLK_N: C911.1(CAP2) R982.1 U267.5(OUTN)
AD9265_CLK_P: C910.1(CAP2) R982.2 U267.6(OUTP)
AD9265_CSB: R979.1 U1.W17(IO_L14P_T2_SRCC_13)
AD9265_DATA0: R2076.2 U1.U21(IO_L1N_T0_13)
AD9265_DATA1: R2077.2 U1.U22(IO_L2P_T0_13)
AD9265_DATA2: U1.W20(IO_L11N_T1_SRCC_13) U102.11(D2/3-)
AD9265_DATA3: U1.W22(IO_L4N_T0_13) U102.12(D2/3+)
AD9265_DATA4: U1.Y22(IO_L7N_T1_13) U102.14(D4/5-)
AD9265_DATA5: U1.U20(IO_L6N_T0_VREF_13) U102.15(D4/5+)
AD9265_DATA6: U1.W21(IO_L4P_T0_13) U102.16(D6/7-)
AD9265_DATA7: U1.AB21(IO_L8N_T1_13) U102.17(D6/7+)
AD9265_DATA8: U1.Y21(IO_L7P_T1_13) U102.18(D8/9-)
AD9265_DATA9: U1.T18(IO_L3P_T0_DQS_13) U102.19(D8/9+)
AD9265_DATA10: U1.U18(IO_L3N_T0_DQS_13) U102.21(D10/11-)
AD9265_DATA11: U1.Y19(IO_L13N_T2_MRCC_13) U102.22(D10/11+)
AD9265_DATA12: U1.U17(IO_L5P_T0_13) U102.23(D12/13-)
AD9265_DATA13: U1.AB18(IO_L15N_T2_DQS_13) U102.24(D12/13+)
AD9265_DATA14: U1.Y18(IO_L13P_T2_MRCC_13) U102.25(D14/15-)
AD9265_DATA15: U1.AA18(IO_L15P_T2_DQS_13) U102.26(D14/15+ (MSB))
AD9265_DCO: R970.2 U1.V20(IO_L11P_T1_SRCC_13)
AD9265_OR: R972.2 U1.AB15(IO_L16P_T2_13)
AD9265_PDWN: R973.2 U1.T21(IO_L1P_T0_13)
AD9265_SCLK: R977.1 U1.V19(IO_L12P_T1_MRCC_13)
AD9265_SDIO: R978.1 U1.V18(IO_L5N_T0_13)
AD9265_SYNC: R1932.1 U1.T20(IO_L6P_T0_13)
ADC_VIN1+: C2012.1(CAP2) L163.2 U102.42(VIN+)
ADC_VIN1-: C2012.2(CAP1) L164.2 U102.43(VIN-)
ANG_IN_+: J2.B11(SSRXP1) R965.1
ANG_IN_-: J2.B10(SSRXN1) R966.1
CLK_SEL: J77.1 R2120.2 R2126.2 U1.D20(IO_L18N_T2_A23_15)
DDR3_A_A0: R460.2 U1.AB5(IO_L1N_T0_33) U75.N3(A0) U76.N3(A0)
DDR3_A_A1: R461.2 U1.AA8(IO_L5N_T0_33) U75.P7(A1) U76.P7(A1)
DDR3_A_A2: R462.2 U1.W11(IO_L6P_T0_33) U75.P3(A2) U76.P3(A2)
DDR3_A_A3: R463.2 U1.AA6(IO_L3P_T0_DQS_33) U75.N2(A3) U76.N2(A3)
DDR3_A_A4: R464.2 U1.V10(IO_L15P_T2_DQS_33) U75.P8(A4) U76.P8(A4)
DDR3_A_A5: R465.2 U1.AB6(IO_L3N_T0_DQS_33) U75.P2(A5) U76.P2(A5)
DDR3_A_A6: R466.2 U1.AA9(IO_L5P_T0_33) U75.R8(A6) U76.R8(A6)
DDR3_A_A7: R467.2 U1.AA10(IO_L4P_T0_33) U75.R2(A7) U76.R2(A7)
DDR3_A_A8: R468.2 U1.U11(IO_L17N_T2_33) U75.T8(A8) U76.T8(A8)
DDR3_A_A9: R469.2 U1.AB7(IO_L2N_T0_33) U75.R3(A9) U76.R3(A9)
DDR3_A_A10: R470.2 U1.R7(IO_L8P_T1_33) U75.L7(A10/AP) U76.L7(A10/AP)
DDR3_A_A11: R471.2 U1.U10(IO_L14P_T2_SRCC_33) U75.R7(A11) U76.R7(A11)
DDR3_A_A12: R472.2 U1.AB8(IO_L2P_T0_33) U75.N7(A12/BC#) U76.N7(A12/BC#)
DDR3_A_A13: R473.2 U1.AB10(IO_L4N_T0_33) U75.T3(A13) U76.T3(A13)
DDR3_A_A14: R474.2 U1.T11(IO_L16P_T2_33) U75.T7(A14) U76.T7(A14)
DDR3_A_A15: R475.2 U1.V8(IO_L9N_T1_DQS_33) U75.M7(A15) U76.M7(A15)
DDR3_A_BA0: R476.2 U1.U8(IO_L9P_T1_DQS_33) U75.M2(BA0) U76.M2(BA0)
DDR3_A_BA1: R477.2 U1.T10(IO_L16N_T2_33) U75.N8(BA1) U76.N8(BA1)
DDR3_A_BA2: R478.2 U1.W10(IO_L15N_T2_DQS_33) U75.M3(BA2) U76.M3(BA2)
DDR3_A_CAS_B: R481.2 U1.R6(IO_L8N_T1_33) U75.K3(CAS#) U76.K3(CAS#)
DDR3_A_CKE: R483.2 U1.U6(IO_L10N_T1_33) U75.K9(CKE) U76.K9(CKE)
DDR3_A_CLK0_N: R488.2 U1.Y7(IO_L12N_T1_MRCC_33) U75.K7(CK#) U76.K7(CK#)
DDR3_A_CLK0_P: R488.1 U1.Y8(IO_L12P_T1_MRCC_33) U75.J7(CK) U76.J7(CK)
DDR3_A_D0: U1.W1(IO_L20P_T3_34) U75.E3(DQ0)
DDR3_A_D1: U1.AA3(IO_L23P_T3_34) U75.F7(DQ1)
DDR3_A_D2: U1.W5(IO_L19P_T3_34) U75.F2(DQ2)
DDR3_A_D3: U1.AA1(IO_L22P_T3_34) U75.F8(DQ3)
DDR3_A_D4: U1.AA4(IO_L24P_T3_34) U75.H3(DQ4)
DDR3_A_D5: U1.AB3(IO_L24N_T3_34) U75.H8(DQ5)
DDR3_A_D6: U1.Y1(IO_L20N_T3_34) U75.G2(DQ6)
DDR3_A_D7: U1.AB2(IO_L23N_T3_34) U75.H7(DQ7)
DDR3_A_D8: U1.U5(IO_L16N_T2_34) U75.D7(DQ8)
DDR3_A_D9: U1.T4(IO_L13P_T2_MRCC_34) U75.C3(DQ9)
DDR3_A_D10: U1.V3(IO_L17P_T2_34) U75.C8(DQ10)
DDR3_A_D11: U1.N5(IO_L18P_T2_34) U75.C2(DQ11)
DDR3_A_D12: U1.W2(IO_L17N_T2_34) U75.A7(DQ12)
DDR3_A_D13: U1.P5(IO_L18N_T2_34) U75.A2(DQ13)
DDR3_A_D14: U1.V4(IO_L14P_T2_SRCC_34) U75.B8(DQ14)
DDR3_A_D15: U1.T5(IO_L16P_T2_34) U75.A3(DQ15)
DDR3_A_D16: U1.R4(IO_L11N_T1_SRCC_34) U76.E3(DQ0)
DDR3_A_D17: U1.T1(IO_L10P_T1_34) U76.F7(DQ1)
DDR3_A_D18: U1.P4(IO_L11P_T1_SRCC_34) U76.F2(DQ2)
DDR3_A_D19: U1.R2(IO_L7N_T1_34) U76.F8(DQ3)
DDR3_A_D20: U1.P2(IO_L7P_T1_34) U76.H3(DQ4)
DDR3_A_D21: U1.U1(IO_L10N_T1_34) U76.H8(DQ5)
DDR3_A_D22: U1.R3(IO_L12P_T1_MRCC_34) U76.G2(DQ6)
DDR3_A_D23: U1.T3(IO_L12N_T1_MRCC_34) U76.H7(DQ7)
DDR3_A_D24: U1.N2(IO_L5N_T0_34) U76.D7(DQ8)
DDR3_A_D25: U1.L1(IO_L2N_T0_34) U76.C3(DQ9)
DDR3_A_D26: U1.L5(IO_L6P_T0_34) U76.C8(DQ10)
DDR3_A_D27: U1.L3(IO_L1P_T0_34) U76.C2(DQ11)
DDR3_A_D28: U1.M3(IO_L1N_T0_34) U76.A7(DQ12)
DDR3_A_D29: U1.K1(IO_L2P_T0_34) U76.A2(DQ13)
DDR3_A_D30: U1.N3(IO_L5P_T0_34) U76.B8(DQ14)
DDR3_A_D31: U1.K2(IO_L4N_T0_34) U76.A3(DQ15)
DDR3_A_DM0: U1.AB1(IO_L22N_T3_34) U75.E7(LDM)
DDR3_A_DM1: U1.U3(IO_L13N_T2_MRCC_34) U75.D3(UDM)
DDR3_A_DM2: U1.P1(IO_L8P_T1_34) U76.E7(LDM)
DDR3_A_DM3: U1.K3(IO_L4P_T0_34) U76.D3(UDM)
DDR3_A_DQS0_N: U1.Y2(IO_L21N_T3_DQS_34) U75.G3(LDQS#)
